# Allegro board CHIP_ALPHA_V_021.brd (continued)
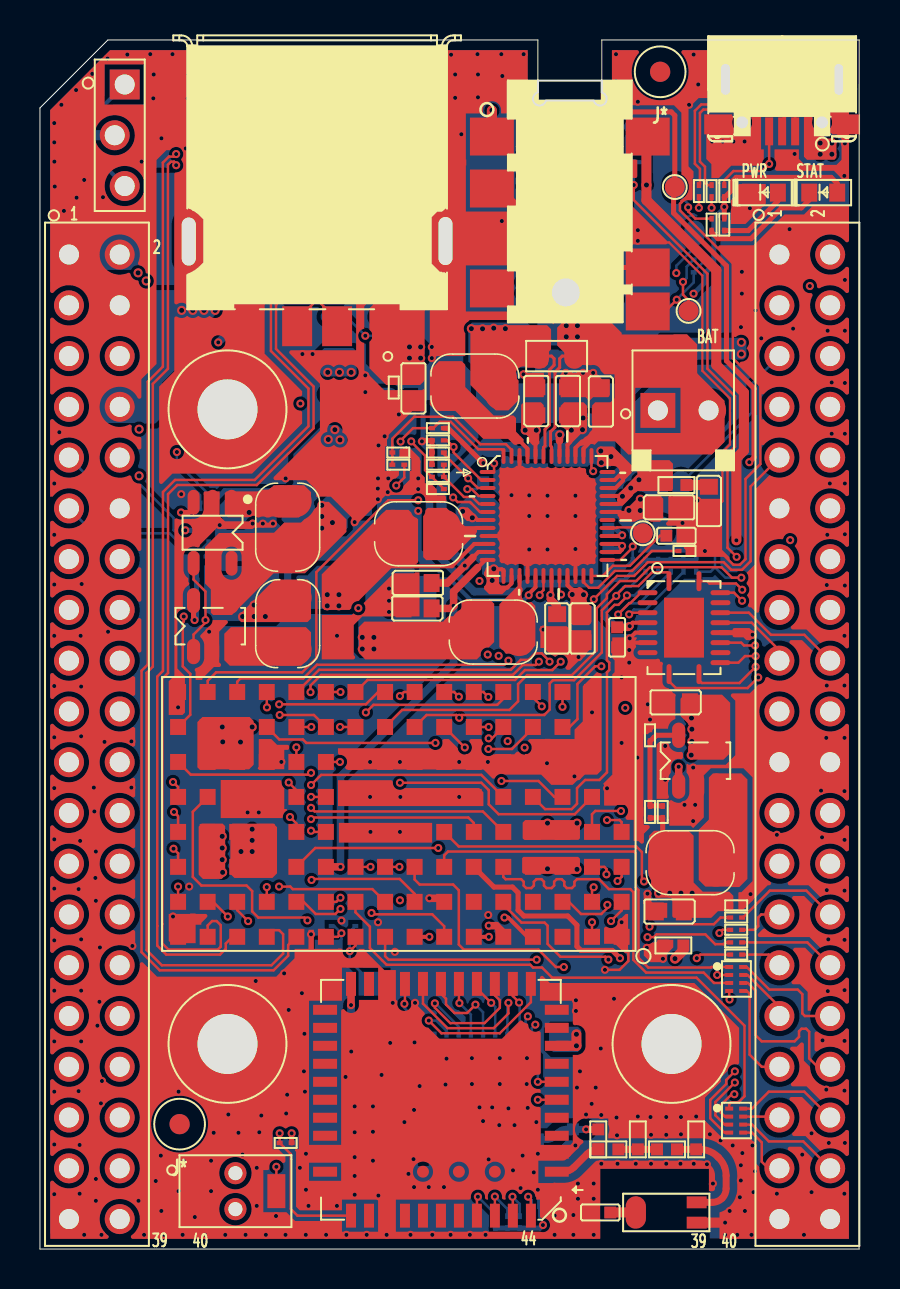
[diagram p0: board, top side]
## Routing (per net, layer and track width the routed paths; a pad name or vN(x,y) marks a point on that pad's centre or on a via; arc(x,y) is an arc through that point) (continued)
EXTEN: length 27.5
  TOP w0.127: v1(26.08,32.75) 26,32.83 U3.20 ; U11.4 7.69,33.49 8.28,32.9 v1(8.28,31.47) 8.28,31.34 7.69,30.75 U12.1
  IN1 w0.127: v1(26.08,32.75) 25.94,32.89 25.94,32.89 25.71,33.12 24.24,33.12 22.96,31.84 v1(22.96,29.68)
  IN2 w0.127: v1(8.28,31.47) 8.48,31.47 10.6,29.35 22.63,29.35 v1(22.96,29.68)
HPCOM: length 44.2
  TOP w0.381: U1.A5 23.19,15.83 22.84,16.18 v1(22.46,16.18)
  IN1 w0.381: v1(22.46,16.18) 22.92,16.18 23.03,16.07 23.47,16.07 23.77,16.37 23.77,18.99 24.96,20.18 32.67,20.18 33.77,21.27 33.77,27.03 32.09,28.71 32.09,34.95 34.26,37.12 34.26,39.69 35.87,41.3 35.87,42.56 36.55,43.23 38.1,43.23 U14.6
HPL: length 62.3
  TOP w0.203: v1(23.25,16.59) 23.44,16.59 24.4,15.62 U1.A4
  IN1 w0.203: v1(28.51,49.76) 28.66,49.61 35.1,49.61 36.26,48.45 37.54,48.45 38.27,47.73 39.04,47.73 U14.4 38.26,45.92 38.26,44.37 37.53,43.65 36.38,43.65 35.44,42.72 35.44,41.46 33.84,39.86 33.84,37.29 31.67,35.12 31.67,28.54 33.35,26.86 33.35,21.45 32.5,20.6 24.79,20.6 23.25,19.06 v1(23.25,16.59)
  BOTTOM w0.203: R101.1 C79.1 27.44,51.71 28.38,50.77 28.38,49.89 v1(28.51,49.76)
HPR: length 65.4
  TOP w0.203: U1.A6 v1(22.47,15.62)
  IN1 w0.203: v1(38.54,48.18) 38.28,48.18 37.68,48.78 36.4,48.78 35.24,49.94 28.96,49.94 28.48,50.42 v1(26.47,50.42) ; v1(22.47,15.62) 23.61,15.62 24.19,16.2 24.19,18.82 25.14,19.76 32.85,19.76 34.19,21.1 34.19,27.21 32.51,28.88 32.51,34.77 34.68,36.94 34.68,39.51 36.12,40.96 38.37,40.96 U14.8
  IN2 w0.203: v1(38.54,48.18) 38.54,43.66 39.55,42.65 U14.8
  BOTTOM w0.203: R100.1 C78.1 25.53,51.81 26.47,50.87 v1(26.47,50.42)
IPSOUT: length 7
  TOP w0.203: 26.55,40.39 26.41,40.24 U3.40 ; v2(22.64,33.45) 22.99,33.1 23.4,33.1 23.6,33.3 U3.14 ; v2(26.64,32.75) 26.64,32.98 26.41,33.21 U3.21 ; U3.34 28.81,38.08 29.19,38.46 ; U3.44 24.81,40.23 ; 21.82,36.55 21.9,36.48 U3.7 ; 22.74,34.01 23.12,34.01 23.2,33.92 U3.13 ; U3.35 28.77,38.48 29.03,38.74
  vias: v2(14.11,37.21) v2(14.11,36.65) v2(14.11,36.07) v2(14.64,36.35) v2(21.16,36.91) v2(21.64,36.59) v2(22.72,34.04) v2(24.29,40.97) v2(24.85,40.97) v2(26.6,40.97) v2(27.18,41.58) v2(27.16,41) v2(27.21,32.74) v2(28.07,39.93) v2(28.1,39.35) v2(28.58,39.65) v2(32.6,24.71) v2(32.61,26.57) v2(32.63,26.01) v2(32.63,25.4)
LCD-CLK: length 22.8
  TOP w0.127: U1.B9 16.64,18.01 12.65,18.01 12.53,18.14 v1(11.97,18.14)
  IN2 w0.127: U13.35 2.75,7.87 4.38,7.87 5.69,9.19 5.69,12.29 9.91,16.51 9.91,16.62 10.41,17.12 10.95,17.12 v1(11.97,18.14)
LCD-D2: length 16
  TOP w0.127: U1.F12 v1(12.83,25.1)
  IN2 w0.127: v1(12.83,25.1) 12.83,27.31 12.08,28.07 8.73,28.07 8.33,28.47 6.35,30.45 2.47,30.45 U13.17
LCD-D3: length 7.5
  TOP w0.127: v1(6.71,21.87) 6.91,21.67 6.91,20.87
  IN2 w0.127: v1(6.71,21.87) 7.05,22.21 7.05,23.84 U13.20
LCD-D4: length 15.3
  TOP w0.127: v1(12,26.72) 13.71,26.72 U1.G11
  IN2 w0.127: v1(12,26.72) 12.37,27.09 12.37,27.42 11.97,27.81 8.63,27.81 8.55,27.89 8.15,28.3 2.85,28.3 U13.19
LCD-D5: length 3.9
  TOP w0.127: 6.91,22.62 6.91,23.11 v1(6.66,23.37)
  IN2 w0.127: U13.22 5.67,24.36 v1(6.66,23.37)
LCD-D6: length 19.1
  TOP w0.127: U1.H9 16.93,27.87 16.31,27.25 v1(11.97,27.25)
  IN2 w0.127: U13.21 2.72,25.63 2.72,27.63 3.13,28.04 8.04,28.04 8.37,27.71 8.52,27.56 11.67,27.56 v1(11.97,27.25)
LCD-D7: length 11.3
  TOP w0.127: U1.H13 11.35,27.11 v1(11.36,27.1)
  IN2 w0.127: U13.24 4.34,21.48 6.87,21.48 11.36,25.97 v1(11.36,27.1)
LCD-D10: length 7
  TOP w0.127: v1(6.68,20.03) 6.91,19.8 6.91,19.12
  IN2 w0.127: U13.23 2.85,20.42 6.29,20.42 v1(6.68,20.03)
LCD-D11: length 15.2
  TOP w0.127: v1(15.02,26.12) U1.G10
  IN2 w0.127: U13.26 6.62,19.28 7.57,20.23 7.57,21.13 10.37,23.93 12.43,23.93 14.62,26.12 v1(15.02,26.12)
LCD-D12: length 15
  TOP w0.127: U1.E12 12.83,22.96 v1(12.45,23.34)
  IN2 w0.127: v1(12.45,23.34) 10.14,23.34 7.83,21.03 7.83,20.13 5.87,18.17 2.56,18.17 U13.25
LCD-D13: length 24.9
  TOP w0.127: v1(16.31,26.85) 16.69,27.23 22.89,27.23 23.19,27.53 U1.H5
  IN2 w0.127: v1(16.31,26.85) 15.2,25.73 15.19,25.73 15.18,25.73 14.84,25.73 12.86,23.74 12.86,23.14 12.64,22.93 10.09,22.93 8.08,20.92 8.08,20.02 4.8,16.74 U13.28
LCD-D14: length 7.7
  TOP w0.127: 6.91,17.37 v1(6.91,18.14)
  IN2 w0.127: U13.27 2.54,15.65 4.42,15.65 v1(6.91,18.14)
LCD-D15: length 25.4
  TOP w0.127: U1.E5 22.09,23.72 14.08,23.72 v1(13.57,23.22)
  IN2 w0.127: v1(13.57,23.22) 13.02,22.67 10.19,22.67 8.34,20.82 8.34,17.76 4.78,14.2 U13.30
LCD-D18: length 19
  TOP w0.127: U1.E11 v1(13.57,22.62)
  IN2 w0.127: v1(13.57,22.62) 13.36,22.42 10.3,22.42 8.59,20.71 8.59,17.47 4.38,13.26 2.39,13.26 U13.29
LCD-D19: length 22.7
  TOP w0.127: U1.D6 21.71,21.32 21.44,21.59 13.64,21.59 v1(13.57,21.51)
  IN2 w0.127: v1(13.57,21.51) 13.36,21.51 3.99,12.15 U13.32
LCD-D20: length 16.4
  TOP w0.127: U1.D12 12.83,21.3 v1(12.51,21.62)
  IN2 w0.127: v1(12.51,21.62) 12.51,21.03 4.31,12.83 2.62,12.83 U13.31
LCD-D21: length 11.1
  TOP w0.127: v1(9.4,16.64) 8.67,17.37 U1.B15
  IN2 w0.127: U13.34 5.19,10.31 5.19,12.5 9.32,16.64 v1(9.4,16.64)
LCD-D22: length 18.7
  TOP w0.127: v1(13.57,20.93) 13.63,20.87 U1.D11
  IN2 w0.127: U13.33 2.49,10.16 3.97,10.16 4.93,11.13 4.93,12.73 13.13,20.93 v1(13.57,20.93)
LCD-D23: length 13.7
  TOP w0.127: v1(10.42,16.41) 9.87,16.95 U1.B14
  IN2 w0.127: v1(10.42,16.41) 10.42,16.3 6.2,12.08 6.2,8.79 U13.36
LCD-DE: length 33.5
  TOP w0.127: v1(18.02,27.67) 18.22,27.87 U1.H8
  IN2 w0.127: v1(18.02,27.67) 17.75,27.67 14.22,24.14 14.22,10.78 4.94,1.5 U13.40
LCD-HSYNC: length 24.4
  TOP w0.127: U1.B8 18.75,17.77 18.01,18.52 13.64,18.52 v1(13.59,18.47)
  IN2 w0.127: U13.38 5.26,5.31 5.26,7.1 6.71,8.55 6.71,11.78 13.39,18.47 v1(13.59,18.47)
LCD-VSYNC: length 34.4
  TOP w0.127: v1(13.57,22.07) 13.75,21.89 22.17,21.89 U1.D5
  IN2 w0.127: U13.37 2.72,5.31 4.32,5.31 5.01,5.99 5.01,7.2 6.46,8.65 6.46,11.89 13.96,19.39 13.96,21.68 v1(13.57,22.07)
LDO3: length 16.1
  TOP w0.203: 21.67,34.6 21.95,34.88 U3.11 ; 26,40.44 U3.41
  TOP w0.381: 26,40.44 26,40.73 v2(26.02,40.74) ; C66.2 20.39,33.32 v1(21.26,34.19) 21.67,34.6
  BOTTOM w0.508: v1(21.26,34.19) 20.1,35.36 20.1,38.05 22.18,40.13 R81.2 23.62,40.13 23.83,39.92 C28.2 25.3,40.37 25.3,40.44 25.6,40.74 v2(26.02,40.74)
LED-STATUS: length 3.4
  TOP w0.127: U3.5 21.99,37.28 21.63,37.63 21.22,37.63 R103.2 R10.1
LRADC: length 42.7
  TOP w0.127: v1(27.72,32.51) 28.89,33.68 29.74,33.68 30.43,34.37 34.22,34.37 34.6,33.99 35.14,33.99 35.57,34.41 35.57,38.16 U14.9 ; v1(24.97,29.39) 24.81,29.22 24.17,29.22 23.67,28.73 14.08,28.73 13.54,28.19 v1(13.54,27.86) ; U1.B13 v1(11.35,18.11)
  IN1 w0.127: v1(13.54,27.86) 13.54,27.71 11.66,25.83 11.66,18.42 v1(11.35,18.11) ; v1(24.97,29.39) 24.97,29.41 27.72,32.16 v1(27.72,32.51)
MICIN1: length 61.1
  TOP w0.127: v1(28.45,14.48) 28.31,14.62 26.05,14.62 25.41,15.27 25.41,16.18 25.26,16.33 24.1,16.33 23.19,17.24 U1.B5 ; v1(34.87,34.63) 34.41,35.09 34.41,39.77 34.79,40.14 34.79,42.67 33.41,44.05 33.41,48.8 29.72,52.48 v1(29.72,53.24)
  IN1 w0.127: v1(28.45,14.48) 28.85,14.08 31.97,14.08 32.23,14.34 32.23,14.98 35.75,18.49 35.75,27.86 34.12,29.49 34.12,33.69 34.69,34.26 34.69,34.46 v1(34.87,34.63) 36.36,36.12 38.61,36.12 U14.12
  BOTTOM w0.127: v1(29.72,53.24) C54.1
MICM: length 54.4
  TOP w0.508: R19.1 32.2,14.95 v2(31.79,14.53) ; v1(34.86,35.46) 34.86,39.57 35.23,39.95 35.23,42.85 33.86,44.23 33.86,48.98 30.36,52.48 v2(30.36,53.24) 30.36,55.6 J11.5
  IN1 w0.508: v2(31.79,14.53) 31.79,15.16 35.3,18.68 35.3,27.67 33.65,29.32 33.65,33.85 34.25,34.45 34.25,34.85 v1(34.86,35.46) 35.84,36.44 35.84,37.53 36.56,38.25 38.21,38.25 U14.10
  BOTTOM w0.254: C294.2 v2(30.36,53.24)
NMI-N: length 31
  TOP w0.127: U1.G13 11.98,25.49 13.16,25.49 13.33,25.32 v1(19.8,25.32) ; v1(18.05,40.4) 18.05,40.45 18.67,41.07 R16.1 19.69,41.07 20.01,41.39 20.56,41.39 21.94,40.01 23.11,40.01 23.2,39.92 U3.48
  IN1 w0.127: v1(18.05,40.4) 18.25,40.2 18.25,33.93 19.8,32.38 v1(19.8,25.32)
OSC24MI: length 2.7
  TOP w0.127: v1(15.09,15.8) 14.91,15.62 U1.A11
  BOTTOM w0.127: C1.2 14.74,16.15 v1(15.09,15.8) 15.09,15.51 X1.1
OSC24MO: length 4.3
  TOP w0.127: U1.A10 15.79,15.19 v1(15.51,14.9)
  BOTTOM w0.127: C5.2 15.51,15.88 v1(15.51,14.9) 15.51,14.41 X1.3
PG4: length 31.3
  TOP w0.127: v1(35.11,33.59) 34.64,33.59 34.12,34.11 30.53,34.11 29.85,33.43 29.04,33.43 28.38,32.77 28.38,32.57 27.87,32.06 27.87,31.85 27.87,31.85 27.87,29.96 26.63,28.72 24.38,28.72 23.93,28.27 23.93,27.41 23.5,26.97 18.13,26.97 U1.G9
  BOTTOM w0.127: 33.79,34.11 33.79,36.45 33.35,36.88 32,36.88 Q11.2 ; 33.79,34.11 33.56,33.89 R206.2 ; 33.79,34.11 34.31,33.59 v1(35.11,33.59)
PMU-GPIO1: length 26.9
  TOP w0.127: v1(25.02,32.71) 25.02,32.78 25.2,32.97 U3.18 ; v1(32.19,48.39) 32.19,47.75 32.47,47.47 TP7.1
  IN2 w0.127: v1(25.02,32.71) 25.16,32.57 25.16,32.49 25.54,32.11 28,32.11 28.17,32.28 29.52,32.28 30.47,33.24 30.47,40.12 29.47,41.12 29.47,42.55 32.29,45.37 32.29,48.29 v1(32.19,48.39)
  BOTTOM w0.127: R414.1 32.37,49.15 32.37,48.57 v1(32.19,48.39)
POWER-ON: length 55.4
  TOP w0.127: R83.2 18.24,38.6 v1(17.84,38.2) ; SW1.2 v1(11.83,4.11)
  IN1 w0.127: v1(18.02,17.45) 17.37,18.1 17.37,30.63 v1(15.94,32.07)
  IN2 w0.127: v1(11.83,4.11) 11.83,4.46 16.92,9.55 16.92,15.74 18.02,16.84 v1(18.02,17.45) ; v1(15.94,32.07) 17.84,33.97 v1(17.84,38.2) 17.84,38.71 17.83,38.72 17.83,38.72 17.6,38.95 17.59,38.95 17.59,38.96 5.7,38.96 5.06,39.6 U13.10
PWM0: length 28.3
  TOP w0.127: U1.A7 20.23,16.15 19.64,16.74 16.67,16.74 v1(16.6,16.81)
  IN1 w0.127: v1(16.6,16.81) 16.6,18.35 15.52,19.42 15.52,28.12 14.17,29.48 4.03,29.48 U13.18
RESET-N: length 36.5
  TOP w0.127: v1(29.67,35.15) 29.67,35.1 29.05,34.48 U3.25 ; v1(7.2,31.65) 7.2,31.39 7.15,31.34 7.15,29.16 7.52,28.78 7.52,26.73 6.91,26.12
  IN1 w0.127: v1(29.67,35.15) 27.89,33.37 24.14,33.37 22.41,31.65 v1(22.41,29.74)
  IN2 w0.127: v1(22.41,29.74) 22.27,29.6 10.71,29.6 8.42,31.89 7.44,31.89 v1(7.2,31.65)
  BOTTOM w0.127: v1(29.67,35.15) R17.1 29.24,34.06 C37.2
RTCVDD: length 13.1
  TOP w0.203: U3.28 29.1,35.68 v1(29.14,35.71)
  TOP w0.254: R16.2 20.43,41.07 22.18,39.33 v1(22.2,39.33)
  IN2 w0.254: v1(22.2,39.33) 22.2,39.19 22.54,38.85 26.53,38.85 29.14,36.25 v1(29.14,35.71)
  BOTTOM w0.254: C22.2 28.81,36.04 v1(29.14,35.71)
TPX1: length 37.1
  TOP w0.127: v1(27.71,18.1) 27.63,18.02 U1.B2
  IN2 w0.127: v1(27.71,18.1) 27.33,18.48 27.33,24.01 22.51,28.83 9.05,28.83 4.43,33.45 2.52,33.45 U13.13
TPX2: length 38.1
  TOP w0.127: v1(28.4,17.22) 28.4,17.07 28.1,16.76 27.08,16.76 26.47,17.37 U1.B3
  IN2 w0.127: U13.14 3.99,34.25 9.16,29.08 22.62,29.08 27.59,24.11 27.59,18.78 28.12,18.25 28.12,17.5 v1(28.4,17.22)
TPY1: length 39.3
  TOP w0.127: U1.B1 29.11,16.94 v1(28.58,16.41)
  IN2 w0.127: U13.15 2.66,33.19 4.33,33.19 4.62,32.9 8.94,28.57 22.41,28.57 26.33,24.65 26.33,18.66 v1(28.58,16.41)
TPY2: length 34.7
  TOP w0.127: U1.A2 v1(27.63,16.35)
  IN2 w0.127: v1(27.63,16.35) 26.08,17.91 26.08,24.55 22.3,28.32 8.84,28.32 6.4,30.76 5.18,31.98 U13.16
TS: length 30.8
  TOP w0.127: U3.37 27.6,39.01 v1(27.69,38.92)
  IN2 w0.127: U13.6 5.17,43.51 5.17,41.57 v1(6.85,39.88) 7.01,39.72 26.89,39.72 v1(27.69,38.92)
  BOTTOM w0.127: R12.2 6.85,39.35 v1(6.85,39.88)
TV-OUT: length 15.7
  IN1 w0.203: J2.3 4.27,53.21 v1(11.01,53.21)
  BOTTOM w0.203: J2.3 2.62,54.81 TP10.1 ; L9.2 12.59,51.28 C53.2 C56.2 12.09,54.18 D18.3 11.67,54.33 11.01,53.67 v1(11.01,53.21)
TVOUT: length 56.4
  TOP w0.203: v1(19.49,15.62) U1.A8
  IN1 w0.203: v1(19.49,15.62) 18.98,16.13 18.98,32.14 17.14,33.99 8.15,33.99 6.17,35.97 6.17,51.32 7.22,52.37 v1(11,52.37)
  BOTTOM w0.203: v1(11,52.37) 11,51.77 C53.1 12.09,50.68 R60.1 C55.2 12.72,50.01 L9.1
TWI0-SCK: length 33
  TOP w0.127: U3.2 22.08,38.48 20.7,39.86 v1(20.7,40.13) 20.37,40.46 R4.2 ; v1(19.94,20.07) 13.78,20.07 U1.C12
  IN1 w0.127: v1(20.7,40.13) 19.84,40.13 18.5,38.79 18.5,34.04 20.19,32.35 20.19,20.32 v1(19.94,20.07)
TWI0-SDA: length 29.6
  TOP w0.127: v1(29.38,32.7) 29.38,32.66 28.96,32.23 28.76,32.23 28.38,31.85 28.38,29.46 28.5,29.34 28.5,28.97 28.38,28.86 28.38,23.85 28,23.47 27.29,23.47 26.88,23.06 26.88,22.28 26.61,22.01 25.28,22.01 U1.E4 ; U3.1 22.64,38.88 22.73,38.97 v1(22.73,39.31)
  IN2 w0.127: v1(29.38,32.7) 30.07,33.39 30.07,35.77 26.53,39.31 v1(22.73,39.31)
  BOTTOM w0.127: v1(29.38,32.7) 29.76,32.7 R1.2
TWI1-SCK: length 39.9
  TOP w0.127: U1.C9 v1(17.99,19.12)
  IN1 w0.127: U13.11 2.75,35.76 5.24,35.76 7.83,33.17 16.31,33.17 16.8,32.69 16.8,31.56 17.62,30.74 17.62,19.49 v1(17.99,19.12)
  BOTTOM w0.127: R3.2 8.1,35.02 7.28,35.02 6.48,35.81 2.7,35.81 U13.11
TWI1-SDA: length 49.4
  TOP w0.127: U1.E2 26.77,21.76 25.58,21.76 22.96,21.76 22.46,22.25 22.46,22.96 22.09,23.33 v1(18.02,23.33)
  IN1 w0.127: v1(18.02,23.33) 18.44,23.75 18.44,30.28 17.05,31.67 17.05,32.79 16.41,33.44 7.93,33.44 5.35,36.02 2.96,36.02 2.57,36.4 2.57,37.44 1.45,38.56 U13.9
  BOTTOM w0.127: R2.2 7.29,35.36 6.68,35.97 6.68,36.58 5.04,38.23 2.82,38.23 U13.9
TWI2-SCK: length 39
  TOP w0.127: v1(28.94,31.75) 28.94,31.76 29.5,32.32 29.56,32.32 30.08,32.84 U27.2 ; v1(26.06,29.39) 25.65,28.97 24.28,28.97 23.78,28.47 16.4,28.47 U1.H10
  IN1 w0.127: v1(28.94,31.75) 28.43,31.75 v1(26.06,29.39)
  IN2 w0.127: U14.26 38.51,20.32 33.2,20.32 26.92,26.6 26.92,28.54 v1(26.06,29.39)
  BOTTOM w0.127: v1(28.94,31.75) 28.94,31.76 29.49,32.31 30,32.31 R6.2
TWI2-SDA: length 40.3
  TOP w0.127: v1(25.51,29.39) 25.51,29.41 25.11,29.81 24.79,29.81 24.46,29.48 24.07,29.48 23.57,28.98 13.97,28.98 12.86,27.87 U1.H12 ; U27.4 29.58,31.84 v1(29.49,31.76)
  IN1 w0.127: v1(25.51,29.39) 28.26,32.14 29.1,32.14 v1(29.49,31.76)
  IN2 w0.127: v1(25.51,29.39) 25.89,29.01 25.89,29.01 25.91,28.98 26.11,28.98 26.66,28.43 26.66,26.48 33.86,19.28 U14.25
  BOTTOM w0.127: v1(29.49,31.76) 29.73,31.99 30.32,31.99 R18.2
UART1-RX: length 8.4
  BOTTOM w0.127: U14.5 35.63,43.29 35.63,41.85 Q11.3
UART1-TX: length 43.5
  TOP w0.127: v1(18.93,37.46) 17.43,37.46 13.83,33.87 13.83,29.57 13.12,28.85 8.82,28.85 8.39,28.43 U1.H15
  IN1 w0.127: U14.3 35.71,45.92 35.71,43.76 34.9,42.94 34.9,41.69 32.9,39.69 32.9,38.04 31,36.14 20.89,36.14 19.57,37.46 v1(18.93,37.46)
UBOOT: length 68.2
  TOP w0.127: U1.E15 7.65,21.88 7.65,18.62 8.08,18.19 10.34,18.19 10.62,17.91 10.62,16.89 10.93,16.59 13.25,16.59 v1(13.39,16.44)
  IN1 w0.127: v1(13.39,16.44) 13.46,16.44 13.97,15.93 13.97,14.72 17.66,11.04 23.24,11.04 25.42,13.21 32.09,13.21 34.53,15.65 37.63,15.65 38.14,16.15 38.14,34.89 v1(37.55,35.47)
  IN2 w0.127: v1(37.55,35.47) 38.03,35.95 38.03,41.12 U14.7
USB0-DRV: length 34.9
  TOP w0.127: U3.6 22.03,36.88 21.61,37.3 21.53,37.38 20.91,37.38 v1(20.68,37.61) ; v1(28.1,29.16) 27.79,29.16 26.9,28.27 26.9,26.51 26.51,26.12 U1.G3
  IN1 w0.127: v1(16.29,45.69) 16.54,45.69 21.47,40.77 21.47,39.17 20.68,38.38 v1(20.68,37.61)
  IN2 w0.127: v1(20.68,37.61) 20.68,33.53 23.63,30.58 27.27,30.58 28.1,29.75 v1(28.1,29.16)
  BOTTOM w0.127: R74.2 v1(16.29,45.69) 15.33,46.65 U10.4
USB0-IDDET: length 54.1
  TOP w0.127: U1.G12 v1(13.58,26.12) ; R70.1 34.25,53.48 34.71,53.94 36.14,53.94 v1(36.5,54.29) J4.4
  IN1 w0.127: v1(29.3,27.08) 27.31,25.09 v1(24.26,25.09)
  IN2 w0.127: v1(24.26,25.09) 24.26,25.26 22.54,26.97 20.71,26.97 19.62,28.07 15.8,28.07 13.85,26.12 v1(13.58,26.12) ; v1(36.5,54.29) 36.5,51.53 33.13,48.16 33.13,48.08 33.13,45.31 32.22,44.4 32.22,41.61 31.12,40.51 31.12,28.91 v1(29.3,27.08)
USBVBUS: length 0.6
  TOP w0.203: U3.31 29.04,36.88
  vias: v2(16.36,49.48) v2(16.92,49.48) v2(17.48,49.48) v2(18.04,49.48) v2(28.35,48.08) v2(28.35,47.52) v2(28.91,48.08) v2(28.92,47.52) v2(29.48,36.96) v2(30.05,37.52) v2(30.05,36.95) v2(39.05,55.34) v2(39.05,54.78) v2(39.64,55.34) v2(39.64,54.78)
VMIC: length 64.7
  TOP w0.254: U1.C6 22.73,18.11 23.65,18.11 23.93,17.83 23.93,16.95 24.22,16.66 26.42,16.66 26.88,16.21 26.88,15.14 27.08,14.94 28.64,14.94 v1(29.03,14.55) ; v1(28.99,56.51) 28.99,56.64 29.25,56.9 31.6,56.9 31.78,56.72 TP4.1 31.72,53.08 31.72,51.84 34.36,49.19 34.36,44.44 35.74,43.06 35.74,39.61 v1(35.51,39.37)
  IN1 w0.254: v1(29.03,14.55) 30.5,14.55 30.95,15 30.95,15.04 34.79,18.89 34.79,27.46 33.14,29.11 33.14,34.06 33.74,34.66 33.74,35.07 35.29,36.61 35.29,39.15 v1(35.51,39.37)
  BOTTOM w0.254: v1(28.99,56.51) 28.45,55.98 R113.2
WL-PMU-EN: length 28.9
  TOP w0.127: U1.H11 v1(15.04,27.87) ; v1(19.46,11.43) 20.1,10.79 23.02,10.79 24.57,12.35 U9.12
  IN1 w0.127: v1(15.04,27.87) 14.36,27.19 14.36,14.7 17.63,11.43 v1(19.46,11.43)
  BOTTOM w0.127: R66.1 20.35,10.92 19.84,11.43 v1(19.46,11.43)
WL-SDIO-CLK: length 20.4
  TOP w0.127: v1(23.1,23.42) 24.95,23.42 25.75,22.62 U1.E3 ; v1(21.8,12.23) 21.38,11.81 20.75,11.81 20.32,12.24 20.32,12.52 20.07,12.78 U9.17
  IN1 w0.127: v1(21.8,12.23) 21.04,12.98 21.04,21.36 v1(23.1,23.42)
  BOTTOM w0.127: v1(21.8,12.23) 22.18,11.85 R50.2
WL-SDIO-CMD: length 18.5
  TOP w0.127: v1(21,12.3) 20.97,12.33 U9.16 ; U1.C10 v1(16.55,19.12)
  IN1 w0.127: v1(16.55,19.12) 16.55,20.24 16.7,20.4 16.95,20.4 17.12,20.23 17.12,16.9 19.15,14.86 20,14.86 20.15,14.71 20.15,14.5 20.02,14.38 18.65,14.38 18.53,14.25 18.53,14 18.65,13.87 20.3,13.87 20.46,13.72 20.46,12.84 v1(21,12.3)
  BOTTOM w0.127: R51.2 21.57,11.73 v1(21,12.3)
WL-SDIO-D0: length 18
  TOP w0.127: U1.C1 29.11,18.62 v1(28.91,18.41) ; v1(23.45,12.32) 23.45,11.79 22.71,11.05 20.4,11.05 19.17,12.28 U9.18
  IN1 w0.127: v1(23.45,12.32) 23.45,13.99 27.11,17.65 28.15,17.65 v1(28.91,18.41)
  BOTTOM w0.127: R49.2 23.4,12.27 v1(23.45,12.32)
WL-SDIO-D1: length 19.1
  TOP w0.127: v1(18.24,12.27) 18.27,12.3 U9.19 ; v1(15.04,17.02) 14.79,16.76 13.8,16.76 13.19,17.37 U1.B12
  IN1 w0.127: v1(15.04,17.02) 15.45,17.02 15.58,17.14 15.58,18.11 15.73,18.26 15.94,18.26 16.09,18.11 16.09,16.02 16.41,15.7 17.96,15.7 18.24,15.41 18.24,13.85 18.5,13.59 20,13.59 20.15,13.44 20.15,13.21 20.02,13.08 18.4,13.08 18.24,12.92 v1(18.24,12.27)
  BOTTOM w0.127: v1(18.24,12.27) 18.24,12.06 19.57,10.73 R48.2
WL-SDIO-D2: length 22.6
  TOP w0.127: v1(15.04,17.58) 14.84,17.37 U1.B11 ; v1(19.77,12.29) 19.77,12.08 20.54,11.3 22.25,11.3 23.02,12.07 23.02,12.45 22.77,12.69 U9.14
  IN1 w0.127: v1(19.77,12.29) 19.23,11.76 17.66,11.76 17.26,12.16 17.26,13.15 17.13,13.28 16.39,13.28 16.27,13.41 16.27,13.66 16.39,13.79 17.13,13.79 17.26,13.92 17.26,14.17 17.13,14.3 16.39,14.3 16.27,14.42 16.27,14.68 16.39,14.8 17.13,14.8 17.26,14.93 17.26,15.16 17.1,15.32 14.84,15.32 14.64,15.52 14.64,17.18 v1(15.04,17.58)
  BOTTOM w0.127: R53.2 20.96,11.13 19.79,12.29 v1(19.77,12.29)
WL-SDIO-D3: length 20.6
  TOP w0.127: v1(22.59,12.32) 21.87,13.03 U9.15 ; U1.H4 24.67,27.6 v1(25.12,27.15)
  IN1 w0.127: v1(22.59,12.32) 21.55,13.36 21.55,21.15 23.8,23.41 23.8,25.84 v1(25.12,27.15)
  BOTTOM w0.127: v1(22.59,12.32) 22.79,12.12 R52.2
XIO-P0: length 12.6
  TOP w0.127: U27.10 31.49,28.41 31.83,28.07 35.42,28.07 v1(35.95,28.6)
  IN2 w0.127: v1(35.95,28.6) 35.8,28.6 34.77,29.63 34.77,31.11 35.82,32.16 35.82,32.49 37.01,33.69 U14.13
XIO-P1: length 11.9
  TOP w0.127: v1(35.82,29.13) 35.01,28.32 33.13,28.32 32.99,28.47 U27.11
  IN2 w0.127: U14.14 38.37,33.34 37.02,33.34 36.07,32.39 36.07,32.06 35.02,31.01 35.02,29.91 35.8,29.13 v1(35.82,29.13)
XIO-P2: length 5.6
  TOP w0.127: v1(35.82,29.67) 35.29,29.67 34.96,29.34 U27.12
  IN2 w0.127: U14.15 36.35,31.98 35.28,30.9 35.28,30.17 35.77,29.67 v1(35.82,29.67)
XIO-P3: length 6.3
  TOP w0.127: U27.14 35.1,30.34 35.24,30.2 v1(35.8,30.2)
  IN2 w0.127: U14.16 38.31,30.73 36.33,30.73 v1(35.8,30.2)
XIO-P4: length 4
  TOP w0.127: U27.16 35.63,31.34 37.01,29.95 U14.17
XIO-P5: length 6.5
  TOP w0.127: U14.18 38.26,30.73 36.59,30.73 35.48,31.84 U27.17
XIO-P6: length 8.6
  TOP w0.127: U27.19 34.74,32.84 v1(35.14,32.44)
  IN2 w0.127: U14.19 36.53,26.9 34.26,29.17 34.26,31.55 v1(35.14,32.44)
XIO-P7: length 12.6
  TOP w0.127: U27.20 33.4,33.41 33.51,33.3 34.84,33.3 v1(35.15,32.99)
  IN2 w0.127: U14.20 38.38,28.07 35.93,28.07 34.51,29.48 34.51,31.22 35.56,32.27 35.56,32.57 v1(35.15,32.99)
N17860831: length 1.9
  TOP w0.35: R45.2 C47.1 R46.1
N17860849: length 2.5
  TOP w0.35: U9.2 26.19,3.87 arc(26.48,3.93) 26.73,4.09 27.39,4.75 arc(27.65,4.93) R46.2
N18486772: length 1.4
  BOTTOM w0.127: U15.3 18.56,42.76 OR4.2
N18486828:
  vias: v2(18.5,45.14) v2(18.5,44.58) v2(19.05,45.14) v2(19.05,44.58)
N20314568: length 0.6
  TOP w0.203: 24.01,33.04 U3.15
N20314637: length 0.7
  TOP w0.203: 24.14,40.31 24.4,40.04 U3.45
N20314996: length 5.9
  TOP w0.127: U3.23 27.21,33.37 27.48,33.09 27.94,33.09 28.78,33.93 29.64,33.93 30.63,34.92 R13.2
N20315137: length 0.6
  TOP w0.203: U3.8 21.82,36.08
N20749703: length 2.1
  TOP w0.127: v1(21.39,38.02) 21.61,38.02 21.96,37.68 U3.4
  BOTTOM w0.127: R20.1 21.86,38.02 v1(21.39,38.02)
N20819937: length 4.6
  TOP w0.127: C26.2 31.03,35.69 29.53,34.19 28.68,34.19 28.17,33.68 U3.24
N20828828: length 1.9
  TOP w0.127: U3.29 28.86,36.08 28.89,36.11 29.89,36.11 TP2.1
N21782572: length 10.1
  TOP w0.127: J4.2 37.8,56.66 37.68,56.78 37.68,57.04 37.45,57.27 33.1,57.27 32.78,56.95 32.78,54.3 33.03,54.05 33.03,53.28 R84.1
N21782578: length 9.6
  TOP w0.127: J4.3 37.15,56.51 37.42,56.79 37.42,56.94 37.34,57.02 33.21,57.02 33.03,56.84 33.03,54.41 33.29,54.15 33.29,53.37 33.42,53.23 R85.1
N21782617: length 1.3
  BOTTOM w0.127: U10.3 R75.2
N21788871: length 2.5
  TOP w0.254: U11.3 7.69,37.09 7.45,36.85 v1(7.06,36.85)
  BOTTOM w0.254: R54.1 R57.2 7.35,36.57 v1(7.06,36.85)
N21788878:
  vias: v2(10.47,37.44) v2(10.47,36.86)
N21789427: length 4.3
  TOP w0.254: v1(7.74,31.47) 7.69,31.52 U12.5
  BOTTOM w0.254: v1(7.74,31.47) 7.84,31.57 C67.2 R79.1 R78.2
N21789937: length 5.4
  TOP w0.254: U4.5 30.85,25.7 30.75,25.6 30.73,25.6 R14.2 R15.1 C73.2
N21821091: length 4.1
  BOTTOM w0.127: R86.1 16.37,42.16 15.77,42.76 U15.4
N21824958: length 25.7
  TOP w0.127: v1(18.58,40.41) 18.58,40.39 19.28,39.69 19.28,38.97 R103.1 20.22,38.03 C152.2
  IN2 w0.127: v1(31.85,48.83) 31.48,48.46 31.48,44.92 29.22,42.66 29.22,41.69 27.51,39.97 21.47,39.97 20.92,40.53 20.54,40.53 19.99,39.97 18.96,39.97 18.58,40.35 v1(18.58,40.41)
  BOTTOM w0.127: v1(31.85,48.83) 31.85,48.83 31.85,49.2 32.76,50.1 Q4.1
N21824970: length 2.8
  TOP w0.127: v1(32.45,52.12) 32.45,51.92 32.8,51.56 R102.2
  BOTTOM w0.127: Q4.3 31.81,52.93 32.45,52.29 v1(32.45,52.12)
N21824972: length 6.3
  TOP w0.254: D2.2 38.51,52.49 38.11,52.1 37.13,52.1 35.59,50.55 33.94,50.55 33.62,50.88 R102.1
N21891079: length 1.3
  TOP w0.508: C51.1 ANT1.3
N21891194: length 5.7
  TOP w0.35: ANT1.2 33.66,2.34 arc(33.92,2.39) 34.14,2.54 arc(34.29,2.76) 34.35,3.02 34.35,3.67 arc(34.33,3.89) 34.27,4.1 arc(34.15,4.35) 33.97,4.57 33.93,4.61 arc(33.52,4.89) 33.03,4.99 C48.1 R45.1
N21892133: length 7.6
  TOP w0.254: v1(27.94,49.77) 27.94,49.66 28.49,49.11 J11.4
  BOTTOM w0.254: v1(27.94,49.77) 27.94,50.01 C79.2 26.48,51.48 26.48,52.78 26.17,53.09 R105.1
N21892135: length 4
  TOP w0.254: J11.2 23.07,53.06 v1(24.06,52.07)
  BOTTOM w0.254: C78.2 25.53,50.6 v1(24.06,52.07)
N21892179: length 0.6
  BOTTOM w0.203: R100.2 C151.1
N21892181: length 0.6
  BOTTOM w0.203: R101.2 C148.1
N21892238: length 4.3
  TOP w0.127: v1(31.87,47.5) 31.29,46.91 J11.6
  BOTTOM w0.127: R414.2 32.72,48.9 R88.1 32.72,48.37 31.87,47.52 v1(31.87,47.5)
N21892272: length 2.6
  BOTTOM w0.254: C188.2 R192.1 R113.1
N21913519: length 1.9
  BOTTOM w0.35: ANT2.1 C60.1 R61.2
N21918802: length 3.2
  TOP w0.35: R47.1 v1(27.33,5.99)
  BOTTOM w0.35: R61.1 25.4,5.49 arc(25.59,5.53) 25.76,5.64 25.96,5.84 arc(26.12,5.95) 26.32,5.99 C52.1 v1(27.33,5.99)
N21932331: length 8.7
  TOP w0.127: U3.47 23.6,39.99 23.33,40.27 22.04,40.27 20.67,41.64 18.74,41.64 17.64,40.54 C35.2 R83.1
N21933125: length 2.8
  TOP w0.127: U9.7 v1(24.92,8.37)
  BOTTOM w0.127: R63.1 24.62,9.93 24.92,9.63 v1(24.92,8.37)
N21935584: length 2.7
  TOP w0.127: v1(23.98,12.33) 23.98,12.34 23.67,12.66 U9.13
  BOTTOM w0.127: R62.1 24.01,12.31 v1(23.98,12.33)
N203144570: length 1.2
  TOP w0.508: R9.1 33.4,38.23 C17.1
N203145090: length 3.7
  TOP w0.254: R8.1 35.45,50.96 36.93,52.44 D1.1
N217827101: length 1.3
  BOTTOM w0.381: R82.1 15.83,51.27 C59.2

## Copper pours and planes (outline as drawn; the poured copper is in the pictures)
GND on TOP (solid shape): 19.63,20.33 14.96,20.33 14.96,21.32 19.63,21.32
GND on TOP (solid shape): 25.22,42.62 24.21,42.62 24.21,43.84 25.22,43.84
GND on TOP (solid shape): 7.79,16.77 8.28,16.77 8.37,16.7 8.35,16.59 8.08,16.32 8.08,16.22 7.79,16.22 7.79,15.3 6.56,15.3 6.44,15.42 6.44,16.77 7.52,16.77 7.52,16.79 7.79,16.79
GND on TOP (solid shape): 36.33,52.3 35.31,51.29 34.57,51.29 34.57,51.45 34.58,51.51 34.58,51.56 34.58,52.01 34.59,52.02 34.61,52.15 34.59,52.27 34.58,52.28 34.58,52.47 34.95,52.83 34.95,53.25 34.99,53.29 36.33,53.29
GND on TOP (solid shape): 26.42,43.87 26.56,43.87 26.57,43.86 26.75,43.84 26.93,43.86 26.94,43.87 27.11,43.87 27.21,43.97 27.69,43.97 28.14,43.51 28.5,43.51 28.5,42.68 28.45,42.62 27.69,42.62 27.5,42.43 27.31,42.62 26.14,42.62 26.12,42.61 26.06,42.63 26.06,43.76 26.29,43.99
GND on TOP (solid shape): 32.83,37.54 34.15,37.54 34.15,34.98 34.52,34.61 34.52,34.55 34.47,34.5 34.33,34.63 32.32,34.63 32.32,35.24 31.86,35.24 31.86,36.19 31.44,36.19 31.35,36.25 31.37,36.36 31.45,36.45 31.45,37.67 31.69,37.67 31.74,37.72 32.83,37.72